# Altium PCB LED_12T-V2.0拼.PcbDoc (part 3 of 3)
Units mm, origin at the board's own origin, x right, y up, seen from the top; angles counter-clockwise.
Board outline 152.4 x 101.6 mm, 2 copper layers (Top Layer, Bottom Layer); 148 components, 0 nets, 404 pads, 276 vias.
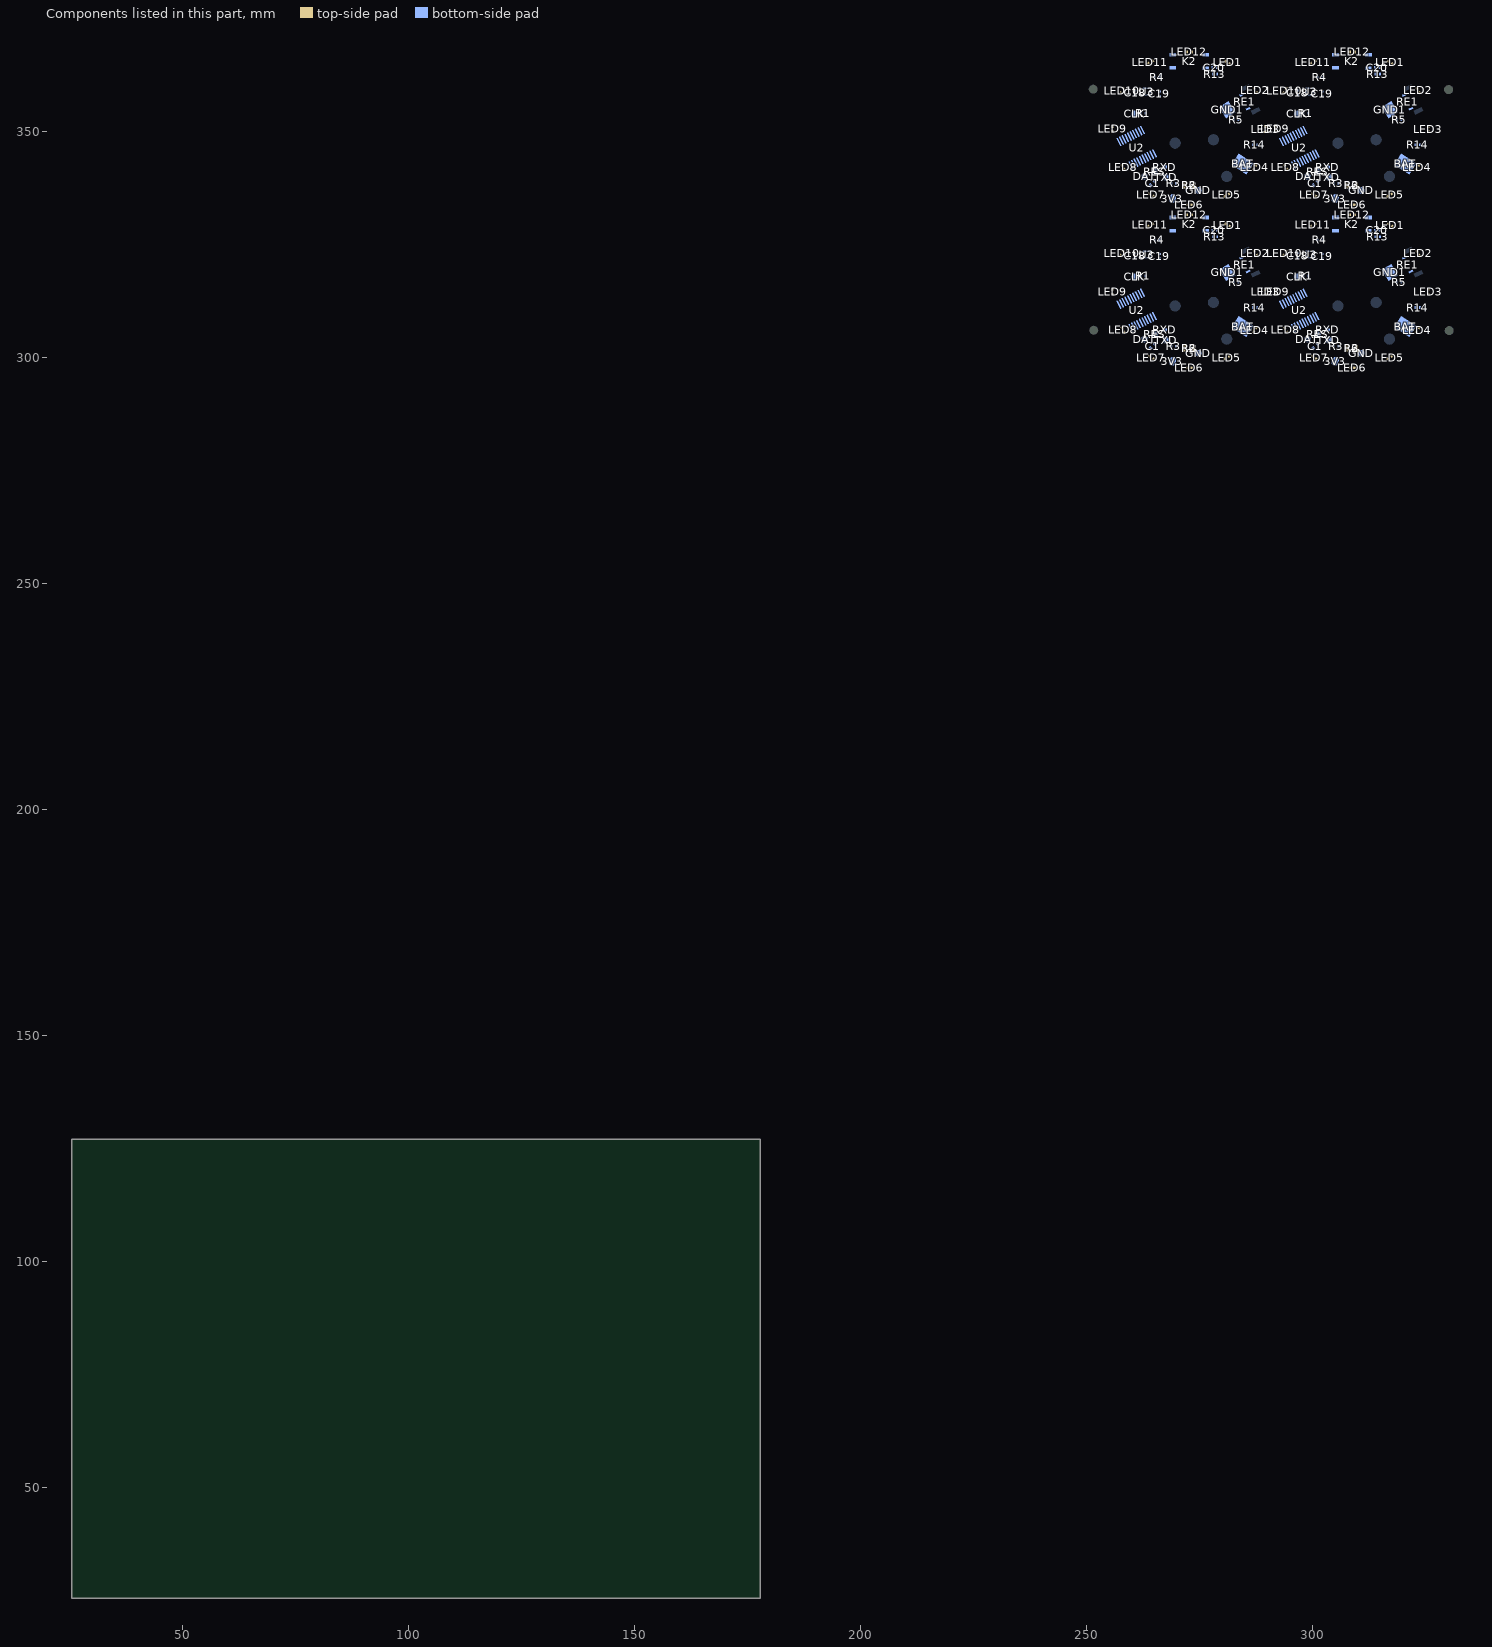
[diagram p3: the components of this part, seen from the top]

## Via types
v1: diameter 0.5, hole 0.3, Top Layer to Bottom Layer, 220 vias
v2: diameter 1.2, hole 0.7, Top Layer to Bottom Layer, 32 vias
v3: diameter 0.7, hole 0.7, Top Layer to Bottom Layer, 24 vias

## Nets (pads, with @x,y where several pads share a name; then routed paths per layer and width w, separated by ;. In a path a pad name is that pad's centre, name@x,y a point inside that pad or via, vN(x,y) a via of type N, cw(c..) or ccw(c..) an arc to the next point about the centre after c; other vN are vias at no path point) (continued)
copper on no net: (continued)
  Bottom Layer w0.254: 260.711,318.091 260.724,318.091 260.795,318.162 261.87,318.162 ; 260.711,354.091 260.724,354.091 260.795,354.162 261.87,354.162 ; 260.735,305.951 ccw(c260.905,305.951) 260.785,305.83 cw(c259.354,304.399) 261.378,304.399 ccw(c263.676,304.399) 262.051,302.774 262.253,302.573 ccw(c263.832,304.152) 263.832,301.918 ; 260.735,341.951 ccw(c260.905,341.951) 260.785,341.83 cw(c259.354,340.399) 261.378,340.399 ccw(c263.676,340.399) 262.051,338.774 262.253,338.573 ccw(c263.832,340.152) 263.832,337.918 ; 260.907,307.045 260.914,306.979 262.473,304.31 ; 260.907,343.045 260.914,342.979 262.473,340.31 ; 260.912,317.948 261.811,317.948 261.831,317.968 ; 260.912,353.948 261.811,353.948 261.831,353.968 ; 260.925,317.521 261.798,317.521 ; 260.925,353.521 261.798,353.521 ; 260.944,317.741 261.773,317.741 261.792,317.722 ; 260.944,353.741 261.773,353.741 261.792,353.722 ; 261.061,317.34 261.417,317.34 261.475,317.398 ; 261.061,353.34 261.417,353.34 261.475,353.398 ; 261.476,307.385 261.497,307.346 262.152,306.111 262.729,305.363 262.836,305.363 ; 261.476,343.385 261.497,343.346 262.152,342.111 262.729,341.363 262.836,341.363 cw(c262.836,340.182) 264.017,340.182 264.017,339.968 ccw(c265.028,339.968) 265.028,338.957 ; 262.836,305.363 cw(c262.836,304.182) 264.017,304.182 264.017,303.968 ccw(c265.028,303.968) 265.028,302.957 ; 263.563,302.428 263.813,302.178 264.045,302.178 ; 263.563,338.428 263.813,338.178 264.045,338.178 ; 263.838,302.342 263.942,302.238 263.942,302.23 ; 263.838,338.342 263.942,338.238 263.942,338.23 ; 264.129,302.069 cw(c264.129,301.626) 264.442,301.939 265.272,301.109 ccw(c267.44,303.278) 267.44,300.211 ; 264.129,338.069 cw(c264.129,337.626) 264.442,337.939 265.272,337.109 ccw(c267.44,339.278) 267.44,336.211 ; 264.131,303.72 264.82,303.031 264.82,302.988 ; 264.131,339.72 264.82,339.031 264.82,338.988 ; 264.171,301.974 264.171,301.889 265.564,300.496 265.867,300.496 ; 264.171,337.974 264.171,337.889 265.564,336.496 265.867,336.496 ; 265.073,303.073 266.587,301.56 ; 265.073,339.073 266.587,337.56 ; 265.163,302.989 ccw(c265.565,302.989) 265.281,302.704 266.172,301.813 ccw(c268.34,303.981) 268.34,300.915 ; 265.163,338.989 ccw(c265.565,338.989) 265.281,338.704 266.172,337.813 ccw(c268.34,339.981) 268.34,336.915 ; 265.535,300.79 265.62,300.705 265.62,300.553 ; 265.535,336.79 265.62,336.705 265.62,336.553 ; 268.321,300.935 269.827,300.935 270.491,300.271 274.743,300.271 ; 268.321,336.935 269.827,336.935 270.491,336.271 274.743,336.271 ; 268.717,300.211 ccw(c268.717,300.29) 268.772,300.234 ; 268.717,336.211 ccw(c268.717,336.29) 268.772,336.234 ; 269.04,300.027 cw(c269.04,299.492) 269.419,299.871 ccw(c270.333,300.785) 270.333,299.492 274.842,299.492 ccw(c274.842,302.558) 277.01,300.39 ; 269.04,336.027 cw(c269.04,335.492) 269.419,335.871 ccw(c270.333,336.785) 270.333,335.492 274.842,335.492 ccw(c274.842,338.558) 277.01,336.39 282.74,342.12 ; v1(271.333,308.97) 271.392,308.97 271.416,308.946 v1@271.416,304.757 ; v1(271.333,344.97) 271.392,344.97 271.416,344.946 v1@271.416,340.757 ; 273.102,327.153 273.669,327.72 273.887,327.72 ; 273.102,363.153 273.669,363.72 273.887,363.72 ; 273.656,302.948 273.71,303.003 274.188,303.003 274.681,302.509 ; 273.656,338.948 273.71,339.003 274.188,339.003 274.681,338.509 ; 273.742,302.459 273.742,302.813 274.415,303.486 274.557,303.486 ; 273.742,338.459 273.742,338.813 274.415,339.486 274.557,339.486 ; 273.819,302.497 cw(c273.819,302.421) 273.895,302.421 273.895,302.08 ccw(c274.492,302.08) 274.492,301.483 ; 273.819,338.497 cw(c273.819,338.421) 273.895,338.421 273.895,338.08 ccw(c274.492,338.08) 274.492,337.483 ; 273.857,300.271 274.743,301.157 274.743,301.369 ; 273.857,336.271 274.743,337.157 274.743,337.369 ; 273.923,302.469 cw(c273.923,301.872) 274.52,301.872 274.52,301.588 ; 273.923,338.469 cw(c273.923,337.872) 274.52,337.872 274.52,337.588 ; 273.955,302.645 273.955,302.689 ; 273.955,338.645 273.955,338.689 ; 274.027,302.09 ccw(c274.529,302.09) 274.52,301.588 ; 274.027,338.09 ccw(c274.529,338.09) 274.52,337.588 ; 274.031,302.823 274.587,302.267 274.619,302.267 ; 274.031,338.823 274.587,338.267 274.619,338.267 ; 274.063,302.603 274.431,302.235 274.54,302.235 ; 274.063,338.603 274.431,338.235 274.54,338.235 ; 274.113,302.251 274.113,301.995 ccw(c274.368,301.995) 274.368,301.739 ; 274.113,338.251 274.113,337.995 ccw(c274.368,337.995) 274.368,337.739 ; 274.179,302.203 cw(c274.179,302.061) 274.321,302.061 274.321,301.843 ; 274.179,338.203 cw(c274.179,338.061) 274.321,338.061 274.321,337.843 ; 274.247,302.955 274.247,303.026 274.433,303.212 ; 274.247,338.955 274.247,339.026 274.433,339.212 ; 274.33,301.872 ccw(c274.33,301.91) 274.368,301.91 274.368,302.09 ; 274.33,337.872 ccw(c274.33,337.91) 274.368,337.91 274.368,338.09 ; 274.52,301.578 274.52,301.588 ; 274.52,337.578 274.52,337.588 ; 274.615,301.588 274.529,301.588 cw(c274.529,302.09) 274.52,301.588 ; 274.615,337.588 274.529,337.588 cw(c274.529,338.09) 274.52,337.588 ; v1@274.671,301.105 274.671,302.502 ; v1@274.671,337.105 274.671,338.502 ; 274.687,327.386 274.757,327.386 v1@275.724,326.419 ; 274.687,363.386 274.757,363.386 v1@275.724,362.419 ; 274.857,301.448 274.857,302.305 ; 274.857,337.448 274.857,338.305 ; v1@274.862,300.915 cw(c274.862,300.63) 275.063,300.831 ; v1@274.862,336.915 cw(c274.862,336.63) 275.063,336.831 ; 275.02,301.209 275.02,302.555 ; 275.02,337.209 275.02,338.555 ; 277.01,300.39 282.74,306.12 ; 296.711,318.091 296.724,318.091 296.795,318.162 297.87,318.162 ; 296.711,354.091 296.724,354.091 296.795,354.162 297.87,354.162 ; 296.735,305.951 ccw(c296.905,305.951) 296.785,305.83 cw(c295.354,304.399) 297.378,304.399 ccw(c299.676,304.399) 298.051,302.774 298.253,302.573 ccw(c299.832,304.152) 299.832,301.918 ; 296.735,341.951 ccw(c296.905,341.951) 296.785,341.83 cw(c295.354,340.399) 297.378,340.399 ccw(c299.676,340.399) 298.051,338.774 298.253,338.573 ccw(c299.832,340.152) 299.832,337.918 ; 296.907,307.045 296.914,306.979 298.473,304.31 ; 296.907,343.045 296.914,342.979 298.473,340.31 ; 296.912,317.948 297.811,317.948 297.831,317.968 ; 296.912,353.948 297.811,353.948 297.831,353.968 ; 296.925,317.521 297.798,317.521 ; 296.925,353.521 297.798,353.521 ; 296.944,317.741 297.773,317.741 297.792,317.722 ; 296.944,353.741 297.773,353.741 297.792,353.722 ; 297.061,317.34 297.417,317.34 297.475,317.398 ; 297.061,353.34 297.417,353.34 297.475,353.398 ; 297.476,307.385 297.497,307.346 298.152,306.111 298.729,305.363 298.836,305.363 ; 297.476,343.385 297.497,343.346 298.152,342.111 298.729,341.363 298.836,341.363 cw(c298.836,340.182) 300.017,340.182 300.017,339.968 ccw(c301.028,339.968) 301.028,338.957 ; 298.836,305.363 cw(c298.836,304.182) 300.017,304.182 300.017,303.968 ccw(c301.028,303.968) 301.028,302.957 ; 299.563,302.428 299.813,302.178 300.045,302.178 ; 299.563,338.428 299.813,338.178 300.045,338.178 ; 299.838,302.342 299.942,302.238 299.942,302.23 ; 299.838,338.342 299.942,338.238 299.942,338.23 ; 300.129,302.069 cw(c300.129,301.626) 300.442,301.939 301.272,301.109 ccw(c303.44,303.278) 303.44,300.211 ; 300.129,338.069 cw(c300.129,337.626) 300.442,337.939 301.272,337.109 ccw(c303.44,339.278) 303.44,336.211 ; 300.131,303.72 300.82,303.031 300.82,302.988 ; 300.131,339.72 300.82,339.031 300.82,338.988 ; 300.171,301.974 300.171,301.889 301.564,300.496 301.867,300.496 ; 300.171,337.974 300.171,337.889 301.564,336.496 301.867,336.496 ; 301.073,303.073 302.587,301.56 ; 301.073,339.073 302.587,337.56 ; 301.163,302.989 ccw(c301.565,302.989) 301.281,302.704 302.172,301.813 ccw(c304.34,303.981) 304.34,300.915 ; 301.163,338.989 ccw(c301.565,338.989) 301.281,338.704 302.172,337.813 ccw(c304.34,339.981) 304.34,336.915 ; 301.535,300.79 301.62,300.705 301.62,300.553 ; 301.535,336.79 301.62,336.705 301.62,336.553 ; 304.321,300.935 305.827,300.935 306.491,300.271 310.743,300.271 ; 304.321,336.935 305.827,336.935 306.491,336.271 310.743,336.271 ; 304.717,300.211 ccw(c304.717,300.29) 304.772,300.234 ; 304.717,336.211 ccw(c304.717,336.29) 304.772,336.234 ; 305.04,300.027 cw(c305.04,299.492) 305.419,299.871 ccw(c306.333,300.785) 306.333,299.492 310.842,299.492 ccw(c310.842,302.558) 313.01,300.39 ; 305.04,336.027 cw(c305.04,335.492) 305.419,335.871 ccw(c306.333,336.785) 306.333,335.492 310.842,335.492 ccw(c310.842,338.558) 313.01,336.39 318.74,342.12 ; v1(307.333,308.97) 307.392,308.97 307.416,308.946 v1@307.416,304.757 ; v1(307.333,344.97) 307.392,344.97 307.416,344.946 v1@307.416,340.757 ; 309.102,327.153 309.669,327.72 309.887,327.72 ; 309.102,363.153 309.669,363.72 309.887,363.72 ; 309.656,302.948 309.71,303.003 310.188,303.003 310.681,302.509 ; 309.656,338.948 309.71,339.003 310.188,339.003 310.681,338.509 ; 309.742,302.459 309.742,302.813 310.415,303.486 310.557,303.486 ; 309.742,338.459 309.742,338.813 310.415,339.486 310.557,339.486 ; 309.819,302.497 cw(c309.819,302.421) 309.895,302.421 309.895,302.08 ccw(c310.492,302.08) 310.492,301.483 ; 309.819,338.497 cw(c309.819,338.421) 309.895,338.421 309.895,338.08 ccw(c310.492,338.08) 310.492,337.483 ; 309.857,300.271 310.743,301.157 310.743,301.369 ; 309.857,336.271 310.743,337.157 310.743,337.369 ; 309.923,302.469 cw(c309.923,301.872) 310.52,301.872 310.52,301.588 ; 309.923,338.469 cw(c309.923,337.872) 310.52,337.872 310.52,337.588 ; 309.955,302.645 309.955,302.689 ; 309.955,338.645 309.955,338.689 ; 310.027,302.09 ccw(c310.529,302.09) 310.52,301.588 ; 310.027,338.09 ccw(c310.529,338.09) 310.52,337.588 ; 310.031,302.823 310.587,302.267 310.619,302.267 ; 310.031,338.823 310.587,338.267 310.619,338.267 ; 310.063,302.603 310.431,302.235 310.54,302.235 ; 310.063,338.603 310.431,338.235 310.54,338.235 ; 310.113,302.251 310.113,301.995 ccw(c310.368,301.995) 310.368,301.739 ; 310.113,338.251 310.113,337.995 ccw(c310.368,337.995) 310.368,337.739 ; 310.179,302.203 cw(c310.179,302.061) 310.321,302.061 310.321,301.843 ; 310.179,338.203 cw(c310.179,338.061) 310.321,338.061 310.321,337.843 ; 310.247,302.955 310.247,303.026 310.433,303.212 ; 310.247,338.955 310.247,339.026 310.433,339.212 ; 310.33,301.872 ccw(c310.33,301.91) 310.368,301.91 310.368,302.09 ; 310.33,337.872 ccw(c310.33,337.91) 310.368,337.91 310.368,338.09 ; 310.52,301.578 310.52,301.588 ; 310.52,337.578 310.52,337.588 ; 310.615,301.588 310.529,301.588 cw(c310.529,302.09) 310.52,301.588 ; 310.615,337.588 310.529,337.588 cw(c310.529,338.09) 310.52,337.588 ; v1@310.671,301.105 310.671,302.502 ; v1@310.671,337.105 310.671,338.502 ; 310.687,327.386 310.757,327.386 v1@311.724,326.419 ; 310.687,363.386 310.757,363.386 v1@311.724,362.419 ; 310.857,301.448 310.857,302.305 ; 310.857,337.448 310.857,338.305 ; v1@310.862,300.915 cw(c310.862,300.63) 311.063,300.831 ; v1@310.862,336.915 cw(c310.862,336.63) 311.063,336.831 ; 311.02,301.209 311.02,302.555 ; 311.02,337.209 311.02,338.555 ; 313.01,300.39 318.74,306.12
  Bottom Layer w0.3: v1@280.029,300.026 280.172,299.884 281.161,299.884 ; v1@280.029,336.026 280.172,335.884 281.161,335.884 ; 281.132,299.915 ccw(c271.945,314.927) 286.124,325.354 ; 281.132,335.915 ccw(c271.945,350.927) 286.124,361.354 ; 287.726,322.633 287.726,321.876 v1@287.898,321.703 ; 287.726,358.633 287.726,357.876 v1@287.898,357.703 ; v1@287.898,321.764 287.898,322.115 287.926,322.143 ; v1@287.898,357.764 287.898,358.115 287.926,358.143 ; v1@287.941,321.612 288.403,321.15 288.403,321.134 ; v1@287.941,357.612 288.403,357.15 288.403,357.134 ; v1@316.029,300.026 316.172,299.884 317.161,299.884 ; v1@316.029,336.026 316.172,335.884 317.161,335.884 ; 317.132,299.915 ccw(c307.945,314.927) 322.124,325.354 ; 317.132,335.915 ccw(c307.945,350.927) 322.124,361.354 ; 323.726,322.633 323.726,321.876 v1@323.898,321.703 ; 323.726,358.633 323.726,357.876 v1@323.898,357.703 ; v1@323.898,321.764 323.898,322.115 323.926,322.143 ; v1@323.898,357.764 323.898,358.115 323.926,358.143 ; v1@323.941,321.612 324.403,321.15 324.403,321.134 ; v1@323.941,357.612 324.403,357.15 324.403,357.134
  Bottom Layer w0.5: 260.928,305.227 260.928,303.604 262.191,302.342 263.092,302.342 265.575,299.859 268.904,299.859 269.223,299.54 269.251,299.54 ; 260.928,341.227 260.928,339.604 262.191,338.342 263.092,338.342 265.575,335.859 268.904,335.859 269.223,335.54 269.251,335.54 ; 260.942,305.088 261.053,304.977 261.053,303.687 261.206,303.534 ; 260.942,341.088 261.053,340.977 261.053,339.687 261.206,339.534 ; 269.415,299.271 269.449,299.238 275.961,299.238 283.346,306.622 283.346,307.73 ; 269.415,335.271 269.449,335.238 275.961,335.238 283.346,342.622 283.346,343.73 ; 273.583,301.919 273.583,301.83 273.485,301.733 273.485,301.222 273.698,301.01 ; 273.583,337.919 273.583,337.83 273.485,337.733 273.485,337.222 273.698,337.01 ; 273.609,300.413 274.504,301.307 274.504,301.378 ; 273.609,336.413 274.504,337.307 274.504,337.378 ; 273.884,300.909 273.884,301.281 ; 273.884,336.909 273.884,337.281 ; 274.361,301.498 274.383,301.498 274.861,301.975 274.861,303.56 ; 274.361,337.498 274.383,337.498 274.861,337.975 274.861,339.56 ; 274.548,301.321 274.548,303.321 279.116,307.889 279.116,315.35 v2@281.44,317.674 ; 274.548,337.321 274.548,339.321 279.116,343.889 279.116,351.35 v2@281.44,353.674 ; 275.894,299.271 276.38,299.271 282.691,305.582 284.017,305.582 ; 275.894,335.271 276.38,335.271 282.691,341.582 284.017,341.582 ; 279.104,314.054 279.104,318.888 279.469,319.253 ; 279.104,350.054 279.104,354.888 279.469,355.253 ; 279.49,315.862 279.49,318.888 279.693,319.091 ; 279.49,351.862 279.49,354.888 279.693,355.091 ; 279.936,316.43 v2@279.936,318.888 ; 279.936,352.43 v2@279.936,354.888 ; 280.302,318.075 280.403,317.974 280.403,316.775 ; 280.302,354.075 280.403,353.974 280.403,352.775 ; 281.127,320.073 281.127,320.094 282.898,321.865 283.815,321.865 ; 281.127,356.073 281.127,356.094 282.898,357.865 283.815,357.865 ; v2@281.398,319.875 283.138,321.615 ; v2@281.398,355.875 283.138,357.615 ; v2@281.71,319.354 281.71,319.718 283.888,321.896 ; v2@281.71,355.354 281.71,355.718 283.888,357.896 ; 296.928,305.227 296.928,303.604 298.191,302.342 299.092,302.342 301.575,299.859 304.904,299.859 305.223,299.54 305.251,299.54 ; 296.928,341.227 296.928,339.604 298.191,338.342 299.092,338.342 301.575,335.859 304.904,335.859 305.223,335.54 305.251,335.54 ; 296.942,305.088 297.053,304.977 297.053,303.687 297.206,303.534 ; 296.942,341.088 297.053,340.977 297.053,339.687 297.206,339.534 ; 305.415,299.271 305.449,299.238 311.961,299.238 319.346,306.622 319.346,307.73 ; 305.415,335.271 305.449,335.238 311.961,335.238 319.346,342.622 319.346,343.73 ; 309.583,301.919 309.583,301.83 309.485,301.733 309.485,301.222 309.698,301.01 ; 309.583,337.919 309.583,337.83 309.485,337.733 309.485,337.222 309.698,337.01 ; 309.609,300.413 310.504,301.307 310.504,301.378 ; 309.609,336.413 310.504,337.307 310.504,337.378 ; 309.884,300.909 309.884,301.281 ; 309.884,336.909 309.884,337.281 ; 310.361,301.498 310.383,301.498 310.861,301.975 310.861,303.56 ; 310.361,337.498 310.383,337.498 310.861,337.975 310.861,339.56 ; 310.548,301.321 310.548,303.321 315.116,307.889 315.116,315.35 v2@317.44,317.674 ; 310.548,337.321 310.548,339.321 315.116,343.889 315.116,351.35 v2@317.44,353.674 ; 311.894,299.271 312.38,299.271 318.691,305.582 320.017,305.582 ; 311.894,335.271 312.38,335.271 318.691,341.582 320.017,341.582 ; 315.104,314.054 315.104,318.888 315.469,319.253 ; 315.104,350.054 315.104,354.888 315.469,355.253 ; 315.49,315.862 315.49,318.888 315.693,319.091 ; 315.49,351.862 315.49,354.888 315.693,355.091 ; 315.936,316.43 v2@315.936,318.888 ; 315.936,352.43 v2@315.936,354.888 ; 316.302,318.075 316.403,317.974 316.403,316.775 ; 316.302,354.075 316.403,353.974 316.403,352.775 ; 317.127,320.073 317.127,320.094 318.898,321.865 319.815,321.865 ; 317.127,356.073 317.127,356.094 318.898,357.865 319.815,357.865 ; v2@317.398,319.875 319.138,321.615 ; v2@317.398,355.875 319.138,357.615 ; v2@317.71,319.354 317.71,319.718 319.888,321.896 ; v2@317.71,355.354 317.71,355.718 319.888,357.896
  other v1: 267.551,303.873 303.551,303.873 262.836,304.005 298.836,304.005 271.333,304.757 307.333,304.757 265.054,305.077 301.054,305.077 265.42,307.101 301.42,307.101 280.492,308.018 316.492,308.018 280.023,309.511 316.023,309.511 263.006,311.999 299.006,311.999 266.03,313.026 302.03,313.026 258.002,315.546 294.002,315.546 270.203,317.296 306.203,317.296 275.044,320.558 311.044,320.558 274.134,320.774 310.134,320.774 287.949,321.761 323.949,321.761 261.568,321.977 297.568,321.977 270.21,322.541 306.21,322.541 280.006,324.377 316.006,324.377 278.28,324.4 314.28,324.4 263.94,324.457 299.94,324.457 276.726,324.723 312.726,324.723 263.257,325.941 299.257,325.941 281.558,327.953 317.558,327.953 267.396,328.981 303.396,328.981 267.551,339.873 303.551,339.873 262.836,340.005 298.836,340.005 271.333,340.757 307.333,340.757 265.054,341.077 301.054,341.077 265.42,343.101 301.42,343.101 280.492,344.018 316.492,344.018 280.023,345.511 316.023,345.511 263.006,347.999 299.006,347.999 266.03,349.026 302.03,349.026 258.002,351.546 294.002,351.546 270.203,353.296 306.203,353.296 275.044,356.558 311.044,356.558 274.134,356.774 310.134,356.774 287.949,357.761 323.949,357.761 261.568,357.977 297.568,357.977 270.21,358.541 306.21,358.541 280.006,360.377 316.006,360.377 278.28,360.4 314.28,360.4 263.94,360.457 299.94,360.457 276.726,360.723 312.726,360.723 263.257,361.941 299.257,361.941 281.558,363.953 317.558,363.953 267.396,364.981 303.396,364.981
  other v3: 254.549,312.627 326.745,312.707 290.633,312.744 254.536,314.441 326.733,314.522 290.621,314.558 254.536,316.392 326.733,316.473 290.621,316.509 306.879,332.639 270.71,332.674 272.661,332.674 308.694,332.651 310.645,332.651 274.476,332.687 290.623,348.584 326.743,348.655 254.6,348.693 326.73,350.47 254.588,350.507 290.623,350.535 290.611,352.35 326.73,352.421 254.588,352.458

## Keep-outs
Keep-Out Layer:
  circle w0.127: c272.653,350.658 r1
  circle w0.127: c272.643,350.658 r17.6
  circle w0.1: c275.843,358.708 r0.4
  circle w0.1: c269.443,342.608 r0.4
  circle w0.1: c272.677,338.04 r0.65
  circle w0.127: c308.653,350.658 r1
  circle w0.127: c308.643,350.658 r17.6
  circle w0.1: c311.843,358.708 r0.4
  circle w0.1: c305.443,342.608 r0.4
  circle w0.1: c308.677,338.04 r0.65
  circle w0.127: c272.653,314.658 r1
  circle w0.127: c272.643,314.658 r17.6
  circle w0.1: c275.843,322.708 r0.4
  circle w0.1: c269.443,306.608 r0.4
  circle w0.1: c272.677,302.04 r0.65
  circle w0.127: c308.653,314.658 r1
  circle w0.127: c308.643,314.658 r17.6
  circle w0.1: c311.843,322.708 r0.4
  circle w0.1: c305.443,306.608 r0.4
  circle w0.1: c308.677,302.04 r0.65
  lines w0.127: 248.854,297.16 248.854,367.867 248.841,367.881 253.913,367.881 ; 248.92,297.155 253.896,297.155 ; 253.908,297.158 253.908,367.881 ; 253.954,317.129 255.178,317.129 ; 253.987,311.472 255.195,311.472 ; 254.005,353.195 255.229,353.195 ; 254.038,347.538 255.246,347.538 ; 269.82,332.031 269.82,333.239 ; 275.477,332.048 275.477,333.272 ; 290.016,353.22 291.24,353.22 ; 290.039,317.246 291.263,317.246 ; 290.049,347.563 291.257,347.563 ; 290.072,311.589 291.279,311.589 ; 305.977,332.007 305.977,333.215 ; 311.635,332.024 311.635,333.248 ; 326.148,353.157 327.372,353.157 ; 326.15,317.21 327.374,317.21 ; 326.181,347.5 327.388,347.5 ; 326.183,311.553 327.391,311.553 ; 327.484,297.08 327.484,367.786 327.47,367.8 332.543,367.8 ; 327.55,297.074 332.525,297.074 ; 332.538,297.077 332.538,367.801

## Other copper
Top Layer:
  region: 285.838,344.332 282.363,344.332 282.363,341.208 285.838,341.208
  region: 282.991,354.021 281.652,356.34 279.401,355.04 280.74,352.721
  region: 321.838,344.332 318.363,344.332 318.363,341.208 321.838,341.208
  region: 318.991,354.021 317.652,356.34 315.401,355.04 316.74,352.721
  region: 285.838,308.332 282.363,308.332 282.363,305.208 285.838,305.208
  region: 282.991,318.021 281.652,320.34 279.401,319.04 280.74,316.721
  region: 321.838,308.332 318.363,308.332 318.363,305.208 321.838,305.208
  region: 318.991,318.021 317.652,320.34 315.401,319.04 316.74,316.721
Bottom Layer:
  region: 276.724,364.356 273.417,364.356 273.417,363.021 276.724,363.021
  region: 277.095,364.348 275.544,364.348 275.544,361.91 277.095,361.91
  region: 312.724,364.356 309.417,364.356 309.417,363.021 312.724,363.021
  region: 313.095,364.348 311.544,364.348 311.544,361.91 313.095,361.91
  region: 276.724,328.356 273.417,328.356 273.417,327.021 276.724,327.021
  region: 277.095,328.348 275.544,328.348 275.544,325.91 277.095,325.91
  region: 312.724,328.356 309.417,328.356 309.417,327.021 312.724,327.021
  region: 313.095,328.348 311.544,328.348 311.544,325.91 313.095,325.91

## Silkscreen, mask and mechanical layers (free items; w line width, h text height)
Top Overlay:
  text "+" at 271.379,340.683 h1.52 r180
  text "+" at 307.379,340.683 h1.52 r180
  text "+" at 271.379,304.683 h1.52 r180
  text "+" at 307.379,304.683 h1.52 r180
Bottom Overlay:
  drawing of 200 lines, arcs and shapes, not listed
  text "L_IN" at 270.635,348.994 h1.52
  text "L_IN" at 306.635,348.994 h1.52
  text "GND" at 276.473,348.423 h1.52
  text "GND" at 312.473,348.423 h1.52
  text "VCC" at 280.34,341.979 h1.52
  text "VCC" at 316.34,341.979 h1.52
  text "L_IN" at 270.635,312.994 h1.52
  text "L_IN" at 306.635,312.994 h1.52
  text "GND" at 276.473,312.423 h1.52
  text "GND" at 312.473,312.423 h1.52
  text "VCC" at 280.34,305.979 h1.52
  text "VCC" at 316.34,305.979 h1.52

## Text inside footprints (layer, text, board x,y; h text height)
U3: Bottom Overlay "Y" at 263.316,358.21 h0.8; Bottom Overlay "x" at 263.79,358.799 h0.8
U3: Bottom Overlay "Y" at 299.316,358.21 h0.8; Bottom Overlay "x" at 299.79,358.799 h0.8
U3: Bottom Overlay "Y" at 263.316,322.21 h0.8; Bottom Overlay "x" at 263.79,322.799 h0.8
U3: Bottom Overlay "Y" at 299.316,322.21 h0.8; Bottom Overlay "x" at 299.79,322.799 h0.8